# KiCad board Partial_Drawer_Controller_v1_hotfix.kicad_pcb (continued)
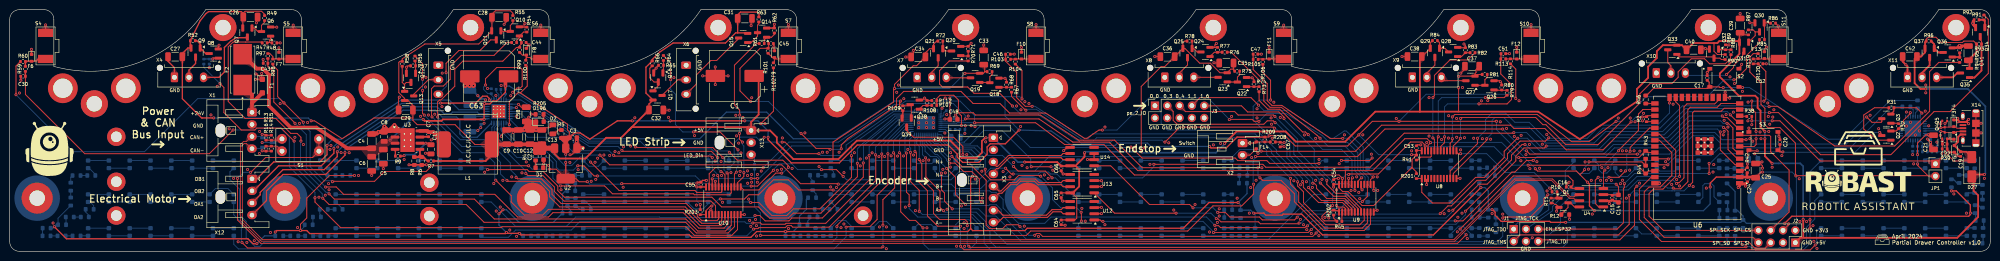
[diagram p0: board, top side]
## Library data of the parts (continued)
X13 = -: Datasheet: https://wmsc.lcsc.com/wmsc/upload/file/pdf/v2/lcsc/2402261208_JST-S03B-XASK-1-LF-SN_C491707.pdf; Description: JST pin header (standard) XA total number of poles 3 Pitch: 2.50mm S03B-XASK-1 (LF)(SN); MF: JST; MPN: S03B-XASK-1(LF)(SN); OC_LCSC: C491707; OC_RS: 602-8206
X14 = -: Datasheet: https://www.amphenol-cs.com/media/wysiwyg/files/drawing/10118194.pdf; Description: USB 2.0 Micro-B SMD; MF: Amphenol ICC; MPN: 10118194-0001LF; OC_LCSC: C132563

## Footprints (pads in the part's own frame, mm; a bottom-side part is the same pattern mirrored in y, then rotated)
AMPHENOL_USB_Micro_10118194-0001LF
  rect 0.4x1.35 smd: 1(-1.3,2.675) 2(-0.65,2.675) 3(0,2.675) 4(0.65,2.675) 5(1.3,2.675)
  oval 0.75x1.5 hole 0.55x1.2: 6(-3.525,0) 6(3.525,0)
  custom 1.25x1.5 smd: 6(-2.92,0) 6(2.92,0)
  oval 1.58x0.8 hole 0.9x0.6: 6(-2.5,2.7) 6(2.5,2.7)
  rect 1.5x1.55 smd: 6(-1,0) 6(1,0)
C_0402_1005Metric
  rrect 0.56x0.62 smd: 1(-0.48,0) 2(0.48,0)
C_0603_1608Metric
  rrect 0.9x0.95 smd: 1(-0.775,0) 2(0.775,0)
C_0805_2012Metric
  rrect 1x1.45 smd: 1(-0.95,0) 2(0.95,0)
C_1206_3216Metric
  rrect 1.15x1.8 smd: 1(-1.475,0) 2(1.475,0)
CP_Elec_10x10
  rrect 4x2.5 smd: 1(-4,0) 2(4,0)
D_SMA
  rrect 2.5x1.8 smd: 1(-2,0) 2(2,0)
D_SOD-123F
  rrect 1.1x1.1 smd: 1(-1.4,0) 2(1.4,0)
D_SOD-523
  rrect 0.6x0.7 smd: 1(-0.7,0) 2(0.7,0)
DSWB02LHGET
  round 2 hole 1: 1(-3.81,1.27) 2(-3.81,-1.27) 3(3.81,1.27) 4(3.81,-1.27)
ESP32-WROOM-32E
  rect 1.5x0.9 smd: 1(-8.75,5.26) 2(-8.75,3.99) 3(-8.75,2.72) 4(-8.75,1.45) 5(-8.75,0.18) 6(-8.75,-1.09) 7(-8.75,-2.36) 8(-8.75,-3.63) 9(-8.75,-4.9) 10(-8.75,-6.17) 11(-8.75,-7.44) 12(-8.75,-8.71) 13(-8.75,-9.98) 14(-8.75,-11.25) 25(8.75,-11.25) 26(8.75,-9.98) 27(8.75,-8.71) 28(8.75,-7.44) 29(8.75,-6.17) 30(8.75,-4.9) 31(8.75,-3.63) 32(8.75,-2.36) 33(8.75,-1.09) 34(8.75,0.18) 35(8.75,1.45) 36(8.75,2.72) 37(8.75,3.99) 38(8.75,5.26)
  rect 0.9x1.5 smd: 15(-5.715,-12.5) 16(-4.445,-12.5) 17(-3.175,-12.5) 18(-1.905,-12.5) 19(-0.635,-12.5) 20(0.635,-12.5) 21(1.905,-12.5) 22(3.175,-12.5) 23(4.445,-12.5) 24(5.715,-12.5)
  rect 0.9x0.9 smd: 39(-2.9,-1.06) 39(-2.9,-2.46) 39(-2.9,-3.86) 39(-1.5,-1.06) 39(-1.5,-2.46) 39(-1.5,-3.86) 39(-0.1,-1.06) 39(-0.1,-2.46) 39(-0.1,-3.86)
  round 0.6 hole 0.3: 39(-2.9,-1.76) 39(-2.9,-3.16) 39(-2.2,-1.06) 39(-2.2,-2.46) 39(-2.2,-3.86) 39(-1.5,-1.76) 39(-1.5,-3.16) 39(-0.8,-1.06) 39(-0.8,-2.46) 39(-0.8,-3.86) 39(-0.1,-1.76) 39(-0.1,-3.16)
Fuse_154_OMNI_BLOK
  rect 4.242x3.81 smd: 1(-3.188,0) 2(3.188,0)
JST_XA_S02B-XASK-1N-BN_1x02_P2.50mm_Horizontal
  rrect 1.7x1.95 hole 0.95: 1(0,0)
  oval 1.7x1.95 hole 0.95: 2(2.5,0)
JST_XA_S03B-XASK-1_1x03_P2.50mm_Horizontal
  oval 2.8x2 hole 2.8x2 unplated: (2.5,-6.5)
  rrect 1.7x1.95 hole 0.95: 1(0,0)
  oval 1.7x1.95 hole 0.95: 2(2.5,0) 3(5,0)
JST_XA_S04B-XASK-1_1x04_P2.50mm_Horizontal
  oval 2.8x2 hole 2.8x2 unplated: (3.75,-6.5)
  rrect 1.7x1.95 hole 0.95: 1(0,0)
  oval 1.7x1.95 hole 0.95: 2(2.5,0) 3(5,0) 4(7.5,0)
JST_XA_S08B-XASK-1_1x08_P2.50mm_Horizontal
  oval 2.8x2 hole 2.8x2 unplated: (8.75,-6.5)
  rrect 1.7x1.95 hole 0.95: 1(0,0)
  oval 1.7x1.95 hole 0.95: 2(2.5,0) 3(5,0) 4(7.5,0) 5(10,0) 6(12.5,0) 7(15,0) 8(17.5,0)
LED_0603_1608Metric
  rrect 0.875x0.95 smd: 1(-0.787,0) 2(0.787,0)
LED_0805_2012Metric
  rrect 0.975x1.4 smd: 1(-0.938,0) 2(0.938,0)
Molex_Micro-Fit_3.0_43650-0315_1x03_P3.00mm_Vertical
  round 1.27 hole 1.27 unplated: (-3,1.96) (9,1.96)
  rrect 1.5x2.02 hole 1.02: 1(0,0)
  oval 1.5x2.02 hole 1.02: 2(3,0) 3(6,0)
MountingHole_2.2mm_M2_DIN965_Pad_TopBottom
  round 2.6 hole 2.2: 1(0,0)
  round 3.8 smd: 1(0,0)
  round 3.8 smd far side: 1(0,0)
MountingHole_3.2mm_M3_DIN965_Pad_TopBottom
  round 3.6 hole 3.2: 1(0,0)
  round 5.6 smd: 1(0,0)
  round 5.6 smd far side: 1(0,0)
MountingHole_3.2mm_M3_Pad_Top_6.4mm_Bottom_9.4mm
  round 3.6 hole 3.2: 1(0,0)
  round 6.4 smd: 1(0,0)
  round 9.4 smd far side: 1(0,0)
MountingHole_4mm_Pad_6.15mm_TopOnly
  round 4.4 hole 4: 1(0,0)
  round 6.15 smd: 1(0,0)
PinHeader_1x02_P2.54mm_Vertical
  rect 1.7x1.7 hole 1: 1(0,0)
  oval 1.7x1.7 hole 1: 2(0,-2.54)
PinSocket_2x03_P2.54mm_Vertical
  rect 1.7x1.7 hole 1: 1(0,0)
  oval 1.7x1.7 hole 1: 2(-2.54,0) 3(0,-2.54) 4(-2.54,-2.54) 5(0,-5.08) 6(-2.54,-5.08)
PinSocket_2x04_P2.54mm_Vertical
  rect 1.7x1.7 hole 1: 1(0,0)
  oval 1.7x1.7 hole 1: 2(-2.54,0) 3(0,-2.54) 4(-2.54,-2.54) 5(0,-5.08) 6(-2.54,-5.08) 7(0,-7.62) 8(-2.54,-7.62)
PinSocket_2x05_P2.54mm_Vertical
  rect 1.7x1.7 hole 1: 1(0,0)
  oval 1.7x1.7 hole 1: 2(-2.54,0) 3(0,-2.54) 4(-2.54,-2.54) 5(0,-5.08) 6(-2.54,-5.08) 7(0,-7.62) 8(-2.54,-7.62) 9(0,-10.16) 10(-2.54,-10.16)
Power_Inductor_SMDRI127
  rrect 5.4x2.9 smd: 1(0,4.95) 2(0,-4.95)
QFN-28-1EP_5x5mm_P0.5mm_EP3.1x3.1mm_ThermalVias
  custom 0.403x0.403 smd: (-1.3,-1.3) (-1.3,1.3) (1.3,-1.3) (1.3,1.3)
  custom 0.403x0.564 smd: (-1.3,-0.7) (-1.3,0) (-1.3,0.7) (1.3,-0.7) (1.3,0) (1.3,0.7)
  custom 0.564x0.403 smd: (-0.7,-1.3) (-0.7,1.3) (0,-1.3) (0,1.3) (0.7,-1.3) (0.7,1.3)
  custom 0.564x0.564 smd: (-0.7,-0.7) (-0.7,0) (-0.7,0.7) (0,-0.7) (0,0) (0,0.7) (0.7,-0.7) (0.7,0) (0.7,0.7)
  rrect 0.95x0.25 smd: 1(-2.375,1.5) 2(-2.375,1) 3(-2.375,0.5) 4(-2.375,0) 5(-2.375,-0.5) 6(-2.375,-1) 7(-2.375,-1.5) 15(2.375,-1.5) 16(2.375,-1) 17(2.375,-0.5) 18(2.375,0) 19(2.375,0.5) 20(2.375,1) 21(2.375,1.5)
  rrect 0.25x0.95 smd: 8(-1.5,-2.375) 9(-1,-2.375) 10(-0.5,-2.375) 11(0,-2.375) 12(0.5,-2.375) 13(1,-2.375) 14(1.5,-2.375) 22(1.5,2.375) 23(1,2.375) 24(0.5,2.375) 25(0,2.375) 26(-0.5,2.375) 27(-1,2.375) 28(-1.5,2.375)
  round 0.5 hole 0.2: 29(-1.05,-1.05) 29(-1.05,-0.35) 29(-1.05,0.35) 29(-1.05,1.05) 29(-0.35,-1.05) 29(-0.35,-0.35) 29(-0.35,0.35) 29(-0.35,1.05) 29(0.35,-1.05) 29(0.35,-0.35) 29(0.35,0.35) 29(0.35,1.05) 29(1.05,-1.05) 29(1.05,-0.35) 29(1.05,0.35) 29(1.05,1.05)
  rect 2.6x2.6 smd far side: 29(0,0)
  rect 3.1x3.1 smd: 29(0,0)
QFN-28-1EP_5x5mm_P0.5mm_EP3.35x3.35mm
  rrect 0.9x0.9 smd: (-1.12,-1.12) (-1.12,0) (-1.12,1.12) (0,-1.12) (0,0) (0,1.12) (1.12,-1.12) (1.12,0) (1.12,1.12)
  rrect 0.8x0.25 smd: 1(-2.45,1.5) 2(-2.45,1) 3(-2.45,0.5) 4(-2.45,0) 5(-2.45,-0.5) 6(-2.45,-1) 7(-2.45,-1.5) 15(2.45,-1.5) 16(2.45,-1) 17(2.45,-0.5) 18(2.45,0) 19(2.45,0.5) 20(2.45,1) 21(2.45,1.5)
  rrect 0.25x0.8 smd: 8(-1.5,-2.45) 9(-1,-2.45) 10(-0.5,-2.45) 11(0,-2.45) 12(0.5,-2.45) 13(1,-2.45) 14(1.5,-2.45) 22(1.5,2.45) 23(1,2.45) 24(0.5,2.45) 25(0,2.45) 26(-0.5,2.45) 27(-1,2.45) 28(-1.5,2.45)
  rect 3.35x3.35 smd: 29(0,0)
R_0402_1005Metric
  rrect 0.54x0.64 smd: 1(-0.51,0) 2(0.51,0)
R_0603_1608Metric
  rrect 0.8x0.95 smd: 1(-0.825,0) 2(0.825,0)
R_1210_3225Metric
  rrect 1.125x2.65 smd: 1(-1.462,0) 2(1.462,0)
SOIC-8_3.9x4.9mm_P1.27mm
  rrect 1.95x0.6 smd: 1(-2.475,1.905) 2(-2.475,0.635) 3(-2.475,-0.635) 4(-2.475,-1.905) 5(2.475,-1.905) 6(2.475,-0.635) 7(2.475,0.635) 8(2.475,1.905)
SOT23
  rrect 1.26x0.59 smd: 1(-0.98,0.95) 2(-0.98,-0.95) 3(0.98,0)
SOT-23
  rrect 1.475x0.6 smd: 1(-0.938,0.95) 2(-0.938,-0.95) 3(0.938,0)
SOT-223-3_TabPin2
  rrect 2x1.5 smd: 1(-3.15,2.3) 2(-3.15,0) 3(-3.15,-2.3)
  rrect 2x3.8 smd: 2(3.15,0)
SOT-523
  rrect 0.51x0.4 smd: 1(-0.645,0.5) 2(-0.645,-0.5) 3(0.645,0)
SW_TS-1187
  rect 1x0.75 smd: 1(-3,1.875) 1(3,1.875) 2(-3,-1.875) 2(3,-1.875)
Switch_KSS_Side_Actuated
  rect 1.7x3.1 smd: 1(-2.7,0) 2(2.7,0)
Texas_R-PDSO-G8_EP2.95x4.9mm_Mask2.4x3.1mm_ThermalVias
  rrect 1.04x0.89 smd: (-0.6,1.03) (-0.6,0) (-0.6,-1.03) (0.6,1.03) (0.6,0) (0.6,-1.03)
  rect 2.4x3.1 smd: (0,0)
  rrect 1.775x0.6 smd: 1(-2.562,1.905) 2(-2.562,0.635) 3(-2.562,-0.635) 4(-2.562,-1.905) 5(2.562,-1.905) 6(2.562,-0.635) 7(2.562,0.635) 8(2.562,1.905)
  round 0.6 hole 0.3: 9(-0.65,1.3) 9(-0.65,0) 9(-0.65,-1.3) 9(0.65,1.3) 9(0.65,0) 9(0.65,-1.3)
  rect 1.8x3.1 smd far side: 9(0,0)
  rect 2.95x4.9 smd: 9(0,0)
TSSOP-24_4.4x7.8mm_P0.65mm
  rrect 1.475x0.4 smd: 1(-2.862,3.575) 2(-2.862,2.925) 3(-2.862,2.275) 4(-2.862,1.625) 5(-2.862,0.975) 6(-2.862,0.325) 7(-2.862,-0.325) 8(-2.862,-0.975) 9(-2.862,-1.625) 10(-2.862,-2.275) 11(-2.862,-2.925) 12(-2.862,-3.575) 13(2.862,-3.575) 14(2.862,-2.925) 15(2.862,-2.275) 16(2.862,-1.625) 17(2.862,-0.975) 18(2.862,-0.325) 19(2.862,0.325) 20(2.862,0.975) 21(2.862,1.625) 22(2.862,2.275) 23(2.862,2.925) 24(2.862,3.575)
VQFN-46-1EP_5x6mm_P0.4mm_EP2.8x3.8mm
  rrect 1.13x1.02 smd: (-0.7,-1.27) (-0.7,0) (-0.7,1.27) (0.7,-1.27) (0.7,0) (0.7,1.27)
  rrect 0.825x0.2 smd: 1(-2.462,2.4) 2(-2.462,2) 3(-2.462,1.6) 4(-2.462,1.2) 5(-2.462,0.8) 6(-2.462,0.4) 7(-2.462,0) 8(-2.462,-0.4) 9(-2.462,-0.8) 10(-2.462,-1.2) 11(-2.462,-1.6) 12(-2.462,-2) 13(-2.462,-2.4) 24(2.462,-2.4) 25(2.462,-2) 26(2.462,-1.6) 27(2.462,-1.2) 28(2.462,-0.8) 29(2.462,-0.4) 30(2.462,0) 31(2.462,0.4) 32(2.462,0.8) 33(2.462,1.2) 34(2.462,1.6) 35(2.462,2) 36(2.462,2.4)
  rrect 0.2x0.825 smd: 14(-1.8,-2.962) 15(-1.4,-2.962) 16(-1,-2.962) 17(-0.6,-2.962) 18(-0.2,-2.962) 19(0.2,-2.962) 20(0.6,-2.962) 21(1,-2.962) 22(1.4,-2.962) 23(1.8,-2.962) 37(1.8,2.962) 38(1.4,2.962) 39(1,2.962) 40(0.6,2.962) 41(0.2,2.962) 42(-0.2,2.962) 43(-0.6,2.962) 44(-1,2.962) 45(-1.4,2.962) 46(-1.8,2.962)
  rect 2.8x3.8 smd: 47(0,0)

## Nets
+3V3: C3.1 C14.1 C15.2 C18.1 C21.1 C24.1 C25.1 C48.1 C49.2 C53.1 C54.1 C55.1 C60.1 J2.2 JP1.2 R1.1 R5.1 R37.2 R41.1 R42.1 R43.1 R44.1 R45.1 R60.1 R98.1 R100.1 R102.1 R104.1 R106.1 R114.1 R120.1 R201.1 R202.1 R203.1 R209.1 U2.2 U4.3 U5.6 U5.7 U6.2 U7.40 U8.24 U9.24 U10.24 U11.15
+5V: C1.1 C2.1 C9.1 C10.1 C12.1 C13.1 C26.1 C27.1 C28.1 C29.1 C31.1 C32.1 C33.1 C34.1 C35.1 C36.1 C37.1 C38.1 C39.1 C40.1 C41.1 C42.1 C64.1 C65.1 C66.1 D27.1 J2.1 L1.2 Q7.2 Q9.2 Q11.2 Q13.2 Q15.2 Q17.2 Q19.2 Q21.2 Q23.2 Q25.2 Q27.2 Q29.2 Q31.2 Q33.2 Q35.2 Q37.2 R4.1 R7.1 R49.1 R52.1 R55.1 R58.1 R63.1 R66.1 R69.1 R72.1 R75.1 R78.1 R81.1 R84.1 R87.1 R90.1 R93.1 R96.1 U2.3 U12.8 U13.8 U14.8 X3.1 X13.1
+24V: C4.1 C5.1 C6.1 C8.1 C59.1 C61.1 C62.1 C63.1 F2.2 Q39.2 R109.1 U3.2 U3.3 U11.22 U11.28
/Power Stage/VCC: C11.1 R9.1 U3.6
GND: C1.2 C2.2 C3.2 C4.2 C5.2 C6.2 C8.2 C9.2 C10.2 C11.2 C12.2 C13.2 C14.2 C15.1 C16.2 C17.1 C18.2 C19.2 C20.1 C21.2 C22.2 C23.2 C24.2 C25.2 C26.2 C27.2 C28.2 C29.2 C30.2 C31.2 C32.2 C33.2 C34.2 C35.2 C36.2 C37.2 C38.2 C39.2 C40.2 C41.2 C42.2 C43.2 C44.2 C45.2 C46.2 C47.2 C48.2 C49.1 C50.2 C51.2 C52.2 C53.2 C54.2 C55.2 C56.2 C58.2 C60.2 C61.2 C62.2 C63.2 C64.2 C65.2 C66.2 C67.2 D1.1 D2.1 D196.1 F1.1 F3.1 F4.1 F5.1 F6.1 F7.1 F8.1 F9.1 F10.1 F11.1 F12.1 F13.1 F14.1 J1.4 J2.3 J2.4 J3.2 J3.4 J3.6 J3.8 J3.10 Q1.2 Q4.2 Q5.2 Q6.2 Q8.2 Q10.2 Q12.2 Q14.2 Q16.2 Q18.2 Q20.2 Q22.2 Q24.2 Q26.2 Q28.2 Q30.2 Q32.2 Q34.2 Q36.2 Q38.2 R6.2 R8.2 R11.2 R12.1 R36.2 R39.2 R40.2 R48.2 R51.2 R54.2 R57.2 R62.2 R65.2 R68.2 R71.2 R74.2 R77.2 R80.2 R83.2 R86.2 R89.2 R92.2 R95.2 R108.2 R111.2 R112.1 R204.2 R206.2 R207.2 S2.1 S3.1 S4.2 S5.2 S6.2 S7.2 S8.2 S9.2 S10.2 S11.2 U1.3 U2.1 U3.1 U3.9 U4.2 U5.3 U5.29 U6.1 U6.15 U6.38 U6.39 U7.37 U7.46 U7.47 U8.2 U8.3 U8.12 U9.3 U9.12 U9.21 U10.2 U10.3 U10.12 U10.21 U11.3 U11.9 U11.10 U11.13 U11.18 U11.29 U12.2 U12.3 U12.5 U13.2 U13.3 U13.5 U14.2 U14.3 U14.5 X1.2 X2.2 X3.2 X4.1 X5.1 X6.1 X7.1 X8.1 X9.1 X10.1 X11.1 X13.2 X14.5 X14.6
VBUS: C19.1 D27.2 F5.2 R33.1 X14.1
VBUS_24V: F1.2 F2.1 X1.1
/Ext_Switch_Sensing_Drawer_1/Switch: F14.2 R208.2 R209.2 X2.1
/LED_Control/8xLED_White/LED_VCC: Q39.3 R17.1 R21.1 R25.1 R115.1 R121.1 R125.1 R129.1 R133.1 R137.1 R141.1 R145.1 R149.1 R153.1 R157.1 R161.1 R165.1 R169.1 R173.1 R177.1 R181.1 R185.1 R189.1 R193.1 R197.1
/LED_Din: R3.1 X13.3
/Power Stage/PG: R9.2 U3.4
A0: R41.2 U8.21
A1: R45.2 U9.2
ADDR1: R1.2 U7.38 U7.39
BRA: R206.1 U11.23
BRB: R207.1 U11.27
CAN+: R13.1 R15.1 U1.2 U4.7 X1.3
CAN-: R14.2 R16.2 U1.1 U4.6 X1.4
CAN_EN_High_Speed_Mode: R10.1 U8.13
Drawer_1_A+: U12.6 X3.7
Drawer_1_A-: U12.7 X3.8
Drawer_1_B+: U13.6 X3.5
Drawer_1_B-: U13.7 X3.6
Drawer_1_DIAG: R205.1 U10.18 U11.11
Drawer_1_DIR: U10.16 U11.19
Drawer_1_Encoder_A: U6.11 U12.1
Drawer_1_Encoder_B: U6.24 U13.1
Drawer_1_Encoder_N: U9.15 U14.1
Drawer_1_INDEX: U10.20 U11.12
Drawer_1_N+: U14.6 X3.3
Drawer_1_N-: U14.7 X3.4
Drawer_1_OA1: U11.24 X12.3
Drawer_1_OA2: U11.21 X12.4
Drawer_1_OB1: U11.26 X12.1
Drawer_1_OB2: U11.1 X12.2
Drawer_1_SPREAD: U10.17 U11.7
Drawer_1_STDBY_TMC2209: U10.4 U11.20
Drawer_1_STEP: U10.19 U11.16
Drawer_1_~EN_TMC2209: R204.1 U10.13 U11.2
Drawer_DAC_VREF: C56.1 U6.10 U11.17
DTR: Q3.2 R31.1 U5.28
EN_ESP32: C20.2 C23.1 J1.5 Q2.3 R42.2 S3.2 U6.3
Enable_LED_VDD: R107.1 R112.2 U7.43 U9.11
FB: R6.1 R7.2 R8.1 U3.5
IO0: R46.1 U6.25
IO0_BTN: C17.2 Q3.3 R46.2 S2.2
IO17_UART2_TX: R2.2 U6.28
IO27: R38.1 U6.12
JTAG_TCK: J1.3 U6.16
JTAG_TDI: J1.6 U6.14
JTAG_TDO: J1.1 U6.23
JTAG_TMS: J1.2 U6.13
LED_D_in: R3.2 U6.8
LED_Out_0: D35.1 U7.17
LED_Out_1: D10.1 U7.16
LED_Out_2: D18.1 U7.18
LED_Out_3: D26.1 U7.20
LED_Out_4: D43.1 U7.21
LED_Out_5: D51.1 U7.22
LED_Out_6: D59.1 U7.19
LED_Out_7: D67.1 U7.23
LED_Out_8: D75.1 U7.24
LED_Out_9: D83.1 U7.15
LED_Out_10: D91.1 U7.7
LED_Out_11: D99.1 U7.5
LED_Out_12: D107.1 U7.4
LED_Out_13: D115.1 U7.3
LED_Out_14: D123.1 U7.2
LED_Out_15: D131.1 U7.6
LED_Out_16: D139.1 U7.8
LED_Out_17: D147.1 U7.1
LED_Out_18: D155.1 U7.13
LED_Out_19: D163.1 U7.10
LED_Out_20: D171.1 U7.9
LED_Out_21: D179.1 U7.12
LED_Out_22: D187.1 U7.11
LED_Out_23: D195.1 U7.14
Lock_1_Close_Control: R50.1 U10.10
Lock_1_Open_Control: R47.1 U10.9
Lock_1_VDD_Close: Q9.3 X4.2
Lock_1_VDD_Open: Q7.3 X4.3
Lock_2_Close_Control: R56.1 U10.7
Lock_2_Open_Control: R53.1 U10.6
Lock_2_VDD_Close: Q13.3 X5.2
Lock_2_VDD_Open: Q11.3 X5.3
Lock_3_Close_Control: R64.1 U10.15
Lock_3_Open_Control: R61.1 U10.14
Lock_3_VDD_Close: Q17.3 X6.2
Lock_3_VDD_Open: Q15.3 X6.3
Lock_4_Close_Control: R70.1 U9.6
Lock_4_Open_Control: R67.1 U9.10
Lock_4_VDD_Close: Q21.3 X7.2
Lock_4_VDD_Open: Q19.3 X7.3
Lock_5_Close_Control: R76.1 U9.18
Lock_5_Open_Control: R73.1 U9.20
Lock_5_VDD_Close: Q25.3 X8.2
Lock_5_VDD_Open: Q23.3 X8.3
Lock_6_Close_Control: R82.1 U8.20
Lock_6_Open_Control: R79.1 U8.19
Lock_6_VDD_Close: Q29.3 X9.2
Lock_6_VDD_Open: Q27.3 X9.3
Lock_7_Close_Control: R88.1 U8.14
Lock_7_Open_Control: R85.1 U8.15
Lock_7_VDD_Close: Q33.3 X10.2
Lock_7_VDD_Open: Q31.3 X10.3
Lock_8_Close_Control: R94.1 U8.10
Lock_8_Open_Control: R91.1 U8.11
Lock_8_VDD_Close: Q37.3 X11.2
Lock_8_VDD_Open: Q35.3 X11.3
pe_0_~INT: R203.2 U6.4 U10.1
pe_1_IO0_0: U8.4
pe_1_IO0_1: U8.5
pe_1_IO0_2: U8.6
pe_1_IO0_3: U8.7
pe_1_IO0_4: U8.8
pe_1_IO0_5: U8.9
pe_1_IO1_3: U8.16
pe_1_IO1_4: U8.17
pe_1_~INT: R201.2 U6.6 U8.1
pe_2_IO0_0: J3.1 U9.4
pe_2_IO0_3: J3.3 U9.7
pe_2_IO0_4: J3.5 U9.8
pe_2_IO1_1: J3.7 U9.14
pe_2_IO1_3: U9.16
pe_2_IO1_6: J3.9 U9.19
pe_2_~INT: R202.2 U6.5 U9.1
RTS: Q2.2 R32.2 U5.24
RXD: R29.2 U5.25
RXD0: R30.1 U6.34
SCL: R44.2 U6.36 U7.42 U8.23 U9.23 U10.23
SDA: R43.2 U6.33 U7.41 U8.22 U9.22 U10.22
Sense_Input_Drawer_Closed_1: C67.1 R208.1 U9.5
Sense_Lock_1: C30.1 R59.1 U10.11
Sense_Lock_2: C43.1 R97.1 U10.8
Sense_Lock_3: C44.1 R99.1 U10.5
Sense_Lock_4: C45.1 R101.1 U9.17
Sense_Lock_5: C46.1 R103.1 U9.9
Sense_Lock_6: C47.1 R105.1 U9.13
Sense_Lock_7: C51.1 R113.1 U8.18
Sense_Lock_8: C52.1 R119.1 U6.7
SPI_CS: J2.6 U6.9
SPI_SCK: J2.8 U6.30
SPI_SI: J2.5 U6.37
SPI_SO: J2.7 U6.31
SW: C7.2 L1.1 U3.8
TWAI_RX: U4.4 U6.26
TWAI_TX: U4.1 U6.29
TXD: R30.2 U5.26
TXD0: R29.1 U6.35
UART2_RX: R2.1 U6.27 U11.14
USB_D+: F4.2 Q5.3 U5.4 X14.3
USB_D-: F3.2 Q4.3 U5.5 X14.2
VCP: C59.2 U11.6
Vref: C16.1 S1.3 S1.4 U4.5
Net-(D1-A): D1.2 R4.2
Net-(D2-A): D2.2 R5.2
Net-(D3-A): D3.2 R20.2
Net-(D3-K): D3.1 D4.2
Net-(D4-K): D4.1 D5.2
Net-(D5-K): D5.1 D6.2
Net-(D6-K): D6.1 D7.2
Net-(D7-K): D7.1 D8.2
Net-(D8-K): D8.1 D9.2
Net-(D10-A): D9.1 D10.2
Net-(D11-A): D11.2 R24.2
Net-(D11-K): D11.1 D12.2
Net-(D12-K): D12.1 D13.2
Net-(D13-K): D13.1 D14.2
Net-(D14-K): D14.1 D15.2
Net-(D15-K): D15.1 D16.2
Net-(D16-K): D16.1 D17.2
Net-(D17-K): D17.1 D18.2
Net-(D19-A): D19.2 R28.2
Net-(D19-K): D19.1 D20.2
Net-(D20-K): D20.1 D21.2
Net-(D21-K): D21.1 D22.2
Net-(D22-K): D22.1 D23.2
Net-(D23-K): D23.1 D24.2
Net-(D24-K): D24.1 D25.2
Net-(D25-K): D25.1 D26.2
Net-(D28-A): D28.2 R118.2
Net-(D28-K): D28.1 D29.2
Net-(D29-K): D29.1 D30.2
Net-(D30-K): D30.1 D31.2
Net-(D31-K): D31.1 D32.2
Net-(D32-K): D32.1 D33.2
Net-(D33-K): D33.1 D34.2
Net-(D34-K): D34.1 D35.2
Net-(D36-A): D36.2 R124.2
Net-(D36-K): D36.1 D37.2
Net-(D37-K): D37.1 D38.2
Net-(D38-K): D38.1 D39.2
Net-(D39-K): D39.1 D40.2
Net-(D40-K): D40.1 D41.2
Net-(D41-K): D41.1 D42.2
Net-(D42-K): D42.1 D43.2
Net-(D44-A): D44.2 R128.2
Net-(D44-K): D44.1 D45.2
Net-(D45-K): D45.1 D46.2
Net-(D46-K): D46.1 D47.2
Net-(D47-K): D47.1 D48.2
Net-(D48-K): D48.1 D49.2
Net-(D49-K): D49.1 D50.2
Net-(D50-K): D50.1 D51.2
Net-(D52-A): D52.2 R132.2
Net-(D52-K): D52.1 D53.2
Net-(D53-K): D53.1 D54.2
Net-(D54-K): D54.1 D55.2
Net-(D55-K): D55.1 D56.2
Net-(D56-K): D56.1 D57.2
Net-(D57-K): D57.1 D58.2
Net-(D58-K): D58.1 D59.2
Net-(D60-A): D60.2 R136.2
Net-(D60-K): D60.1 D61.2
Net-(D61-K): D61.1 D62.2
Net-(D62-K): D62.1 D63.2
Net-(D63-K): D63.1 D64.2
Net-(D64-K): D64.1 D65.2
Net-(D65-K): D65.1 D66.2
Net-(D66-K): D66.1 D67.2
Net-(D68-A): D68.2 R140.2
Net-(D68-K): D68.1 D69.2
Net-(D69-K): D69.1 D70.2
Net-(D70-K): D70.1 D71.2
Net-(D71-K): D71.1 D72.2
Net-(D72-K): D72.1 D73.2
Net-(D73-K): D73.1 D74.2
Net-(D74-K): D74.1 D75.2
Net-(D76-A): D76.2 R144.2
Net-(D76-K): D76.1 D77.2
Net-(D77-K): D77.1 D78.2
Net-(D78-K): D78.1 D79.2
Net-(D79-K): D79.1 D80.2
Net-(D80-K): D80.1 D81.2
Net-(D81-K): D81.1 D82.2
Net-(D82-K): D82.1 D83.2
Net-(D84-A): D84.2 R148.2
Net-(D84-K): D84.1 D85.2
Net-(D85-K): D85.1 D86.2
Net-(D86-K): D86.1 D87.2
Net-(D87-K): D87.1 D88.2
Net-(D88-K): D88.1 D89.2
Net-(D89-K): D89.1 D90.2
Net-(D90-K): D90.1 D91.2
Net-(D92-A): D92.2 R152.2
Net-(D92-K): D92.1 D93.2
Net-(D93-K): D93.1 D94.2
Net-(D94-K): D94.1 D95.2
Net-(D95-K): D95.1 D96.2
Net-(D96-K): D96.1 D97.2
Net-(D97-K): D97.1 D98.2
Net-(D98-K): D98.1 D99.2
Net-(D100-A): D100.2 R156.2
Net-(D100-K): D100.1 D101.2
Net-(D101-K): D101.1 D102.2
Net-(D102-K): D102.1 D103.2
Net-(D103-K): D103.1 D104.2
Net-(D104-K): D104.1 D105.2
Net-(D105-K): D105.1 D106.2
Net-(D106-K): D106.1 D107.2
Net-(D108-A): D108.2 R160.2
Net-(D108-K): D108.1 D109.2
Net-(D109-K): D109.1 D110.2
Net-(D110-K): D110.1 D111.2
Net-(D111-K): D111.1 D112.2
Net-(D112-K): D112.1 D113.2
Net-(D113-K): D113.1 D114.2
Net-(D114-K): D114.1 D115.2
Net-(D116-A): D116.2 R164.2
Net-(D116-K): D116.1 D117.2
Net-(D117-K): D117.1 D118.2
Net-(D118-K): D118.1 D119.2
Net-(D119-K): D119.1 D120.2
Net-(D120-K): D120.1 D121.2
Net-(D121-K): D121.1 D122.2
Net-(D122-K): D122.1 D123.2
Net-(D124-A): D124.2 R168.2
Net-(D124-K): D124.1 D125.2
Net-(D125-K): D125.1 D126.2
Net-(D126-K): D126.1 D127.2
Net-(D127-K): D127.1 D128.2
Net-(D128-K): D128.1 D129.2
Net-(D129-K): D129.1 D130.2
Net-(D130-K): D130.1 D131.2
Net-(D132-A): D132.2 R172.2
Net-(D132-K): D132.1 D133.2
Net-(D133-K): D133.1 D134.2
Net-(D134-K): D134.1 D135.2
Net-(D135-K): D135.1 D136.2
Net-(D136-K): D136.1 D137.2
Net-(D137-K): D137.1 D138.2
Net-(D138-K): D138.1 D139.2
Net-(D140-A): D140.2 R176.2
Net-(D140-K): D140.1 D141.2
Net-(D141-K): D141.1 D142.2
Net-(D142-K): D142.1 D143.2
Net-(D143-K): D143.1 D144.2
Net-(D144-K): D144.1 D145.2
Net-(D145-K): D145.1 D146.2
Net-(D146-K): D146.1 D147.2
Net-(D148-A): D148.2 R180.2
Net-(D148-K): D148.1 D149.2
Net-(D149-K): D149.1 D150.2
Net-(D150-K): D150.1 D151.2
Net-(D151-K): D151.1 D152.2
Net-(D152-K): D152.1 D153.2
Net-(D153-K): D153.1 D154.2
Net-(D154-K): D154.1 D155.2
Net-(D156-A): D156.2 R184.2
Net-(D156-K): D156.1 D157.2
Net-(D157-K): D157.1 D158.2
Net-(D158-K): D158.1 D159.2
Net-(D159-K): D159.1 D160.2
Net-(D160-K): D160.1 D161.2
Net-(D161-K): D161.1 D162.2
Net-(D162-K): D162.1 D163.2
Net-(D164-A): D164.2 R188.2
Net-(D164-K): D164.1 D165.2
Net-(D165-K): D165.1 D166.2
Net-(D166-K): D166.1 D167.2
Net-(D167-K): D167.1 D168.2
Net-(D168-K): D168.1 D169.2
Net-(D169-K): D169.1 D170.2
Net-(D170-K): D170.1 D171.2
Net-(D172-A): D172.2 R192.2
Net-(D172-K): D172.1 D173.2
Net-(D173-K): D173.1 D174.2
Net-(D174-K): D174.1 D175.2
Net-(D175-K): D175.1 D176.2
Net-(D176-K): D176.1 D177.2
Net-(D177-K): D177.1 D178.2
Net-(D178-K): D178.1 D179.2
Net-(D180-A): D180.2 R196.2
Net-(D180-K): D180.1 D181.2
Net-(D181-K): D181.1 D182.2
Net-(D182-K): D182.1 D183.2
Net-(D183-K): D183.1 D184.2
Net-(D184-K): D184.1 D185.2
Net-(D185-K): D185.1 D186.2
Net-(D186-K): D186.1 D187.2
Net-(D188-A): D188.2 R200.2
Net-(D188-K): D188.1 D189.2
Net-(D189-K): D189.1 D190.2
Net-(D190-K): D190.1 D191.2
Net-(D191-K): D191.1 D192.2
Net-(D192-K): D192.1 D193.2
Net-(D193-K): D193.1 D194.2
Net-(D194-K): D194.1 D195.2
Net-(D196-A): D196.2 R205.2
Net-(F6-A2): F6.2 R59.2 R60.2 S4.1
Net-(F7-A2): F7.2 R97.2 R98.2 S5.1
Net-(F8-A2): F8.2 R99.2 R100.2 S6.1
Net-(F9-A2): F9.2 R101.2 R102.2 S7.1
Net-(F10-A2): F10.2 R103.2 R104.2 S8.1
Net-(F11-A2): F11.2 R105.2 R106.2 S9.1
Net-(F12-A2): F12.2 R113.2 R114.2 S10.1
Net-(F13-A2): F13.2 R119.2 R120.2 S11.1
Net-(JP1-A): C22.1 JP1.1 Q4.1 Q5.1 R38.2 R39.1
Net-(Q1-D): Q1.3 R12.2 U4.8
Net-(Q1-G): Q1.1 R10.2 R11.1
Net-(Q2-B): Q2.1 R31.2
Net-(Q3-B): Q3.1 R32.1
Net-(Q6-D): Q6.3 Q7.1 R49.2
Net-(Q6-G): Q6.1 R47.2 R48.1
Net-(Q8-D): Q8.3 Q9.1 R52.2
Net-(Q8-G): Q8.1 R50.2 R51.1
Net-(Q10-D): Q10.3 Q11.1 R55.2
Net-(Q10-G): Q10.1 R53.2 R54.1
Net-(Q12-D): Q12.3 Q13.1 R58.2
Net-(Q12-G): Q12.1 R56.2 R57.1
Net-(Q14-D): Q14.3 Q15.1 R63.2
Net-(Q14-G): Q14.1 R61.2 R62.1
Net-(Q16-D): Q16.3 Q17.1 R66.2
Net-(Q16-G): Q16.1 R64.2 R65.1
Net-(Q18-D): Q18.3 Q19.1 R69.2
Net-(Q18-G): Q18.1 R67.2 R68.1
Net-(Q20-D): Q20.3 Q21.1 R72.2
Net-(Q20-G): Q20.1 R70.2 R71.1
Net-(Q22-D): Q22.3 Q23.1 R75.2
Net-(Q22-G): Q22.1 R73.2 R74.1
Net-(Q24-D): Q24.3 Q25.1 R78.2
Net-(Q24-G): Q24.1 R76.2 R77.1
Net-(Q26-D): Q26.3 Q27.1 R81.2
Net-(Q26-G): Q26.1 R79.2 R80.1
Net-(Q28-D): Q28.3 Q29.1 R84.2
Net-(Q28-G): Q28.1 R82.2 R83.1
Net-(Q30-D): Q30.3 Q31.1 R87.2
Net-(Q30-G): Q30.1 R85.2 R86.1
Net-(Q32-D): Q32.3 Q33.1 R90.2
Net-(Q32-G): Q32.1 R88.2 R89.1
Net-(Q34-D): Q34.3 Q35.1 R93.2
Net-(Q34-G): Q34.1 R91.2 R92.1
Net-(Q36-D): Q36.3 Q37.1 R96.2
Net-(Q36-G): Q36.1 R94.2 R95.1
Net-(Q38-D): Q38.3 Q39.1 R109.2
Net-(Q38-G): Q38.1 R107.2 R108.1
Net-(R13-Pad2): R13.2 R15.2 S1.1
Net-(R14-Pad1): R14.1 R16.1 S1.2
Net-(R17-Pad2): R17.2 R18.1
Net-(R18-Pad2): R18.2 R19.1
Net-(R19-Pad2): R19.2 R20.1
Net-(R21-Pad2): R21.2 R22.1
Net-(R22-Pad2): R22.2 R23.1
Net-(R23-Pad2): R23.2 R24.1
Net-(R25-Pad2): R25.2 R26.1
Net-(R26-Pad2): R26.2 R27.1
Net-(R27-Pad2): R27.2 R28.1
Net-(R33-Pad2): R33.2 R34.1
Net-(R35-Pad2): R35.2 R36.1
Net-(R110-Pad2): R110.2 R111.1
Net-(R115-Pad2): R115.2 R116.1
Net-(R116-Pad2): R116.2 R117.1
Net-(R117-Pad2): R117.2 R118.1
Net-(R121-Pad2): R121.2 R122.1
Net-(R122-Pad2): R122.2 R123.1
Net-(R123-Pad2): R123.2 R124.1
Net-(R125-Pad2): R125.2 R126.1
Net-(R126-Pad2): R126.2 R127.1
Net-(R127-Pad2): R127.2 R128.1
Net-(R129-Pad2): R129.2 R130.1
Net-(R130-Pad2): R130.2 R131.1
Net-(R131-Pad2): R131.2 R132.1
Net-(R133-Pad2): R133.2 R134.1
Net-(R134-Pad2): R134.2 R135.1
Net-(R135-Pad2): R135.2 R136.1
Net-(R137-Pad2): R137.2 R138.1
Net-(R138-Pad2): R138.2 R139.1
Net-(R139-Pad2): R139.2 R140.1
Net-(R141-Pad2): R141.2 R142.1
Net-(R142-Pad2): R142.2 R143.1
Net-(R143-Pad2): R143.2 R144.1
Net-(R145-Pad2): R145.2 R146.1
Net-(R146-Pad2): R146.2 R147.1
Net-(R147-Pad2): R147.2 R148.1
Net-(R149-Pad2): R149.2 R150.1
Net-(R150-Pad2): R150.2 R151.1
Net-(R151-Pad2): R151.2 R152.1
Net-(R153-Pad2): R153.2 R154.1
Net-(R154-Pad2): R154.2 R155.1
Net-(R155-Pad2): R155.2 R156.1
Net-(R157-Pad2): R157.2 R158.1
Net-(R158-Pad2): R158.2 R159.1
Net-(R159-Pad2): R159.2 R160.1
Net-(R161-Pad2): R161.2 R162.1
Net-(R162-Pad2): R162.2 R163.1
Net-(R163-Pad2): R163.2 R164.1
Net-(R165-Pad2): R165.2 R166.1
Net-(R166-Pad2): R166.2 R167.1
Net-(R167-Pad2): R167.2 R168.1
Net-(R169-Pad2): R169.2 R170.1
Net-(R170-Pad2): R170.2 R171.1
Net-(R171-Pad2): R171.2 R172.1
Net-(R173-Pad2): R173.2 R174.1
Net-(R174-Pad2): R174.2 R175.1
Net-(R175-Pad2): R175.2 R176.1
Net-(R177-Pad2): R177.2 R178.1
Net-(R178-Pad2): R178.2 R179.1
Net-(R179-Pad2): R179.2 R180.1
Net-(R181-Pad2): R181.2 R182.1
Net-(R182-Pad2): R182.2 R183.1
Net-(R183-Pad2): R183.2 R184.1
Net-(R185-Pad2): R185.2 R186.1
Net-(R186-Pad2): R186.2 R187.1
Net-(R187-Pad2): R187.2 R188.1
Net-(R189-Pad2): R189.2 R190.1
Net-(R190-Pad2): R190.2 R191.1
Net-(R191-Pad2): R191.2 R192.1
Net-(R193-Pad2): R193.2 R194.1
Net-(R194-Pad2): R194.2 R195.1
Net-(R195-Pad2): R195.2 R196.1
Net-(R197-Pad2): R197.2 R198.1
Net-(R198-Pad2): R198.2 R199.1
Net-(R199-Pad2): R199.2 R200.1
Net-(U3-BOOT): C7.1 U3.7
Net-(U5-VBUS): R34.2 R35.1 U5.8
Net-(U5-~{RST}): R37.1 U5.9
Net-(U5-~{SUSPEND}): R40.1 U5.11
Net-(U7-IREF): R110.1 U7.44
Net-(U7-VCAP): C50.1 U7.45
Net-(U11-5VOUT): C58.1 U11.8
Net-(U11-CPI): C57.1 U11.5
Net-(U11-CPO): C57.2 U11.4

Pads without a net: H1 1; H2 1; H3 1; H4 1; H5 1; H6 1; H7 1; H8 1; H9 1; H10 1; H11 1; H12 1; H13 1; H14 1; H15 1; H16 1; H17 1; H18 1; H19 1; H20 1; H21 1; H22 1; H23 1; H24 1; H25 1; H26 1; H27 1; H28 1; H29 1; H30 1; H31 1; H32 1; H33 1; H34 1; H35 1; H36 1; H37 1; H38 1; H39 1; H40 1; H41 1; H42 1; H43 1; H44 1; H45 1; H46 1; U5 1 2 10 12 13 14 15 16 17 18 19 20 21 22 23 27; U6 17 18 19 20 21 22 32; U7 25 26 27 28 29 30 31 32 33 34 35 36; U11 25; U12 4; U13 4; U14 4; X14 4

## Via types
v1: diameter 0.6, hole 0.3, Top to Bottom, 882 vias
